# Altium PCB SmartHub Carrier.PcbDoc (part 3 of 5)
Units mm, origin at the board's own origin, x right, y up, seen from the top; angles counter-clockwise.
Board outline 120 x 130 mm, 8 copper layers (Top Layer, Layer 2, Layer 3, Layer 4, Layer 5, Layer 6, Layer 7, Bottom Layer), stack 1.479 mm thick; 460 components, 376 nets, 1826 pads, 565 vias.
Unrouted connection lines stored in the file: 350.
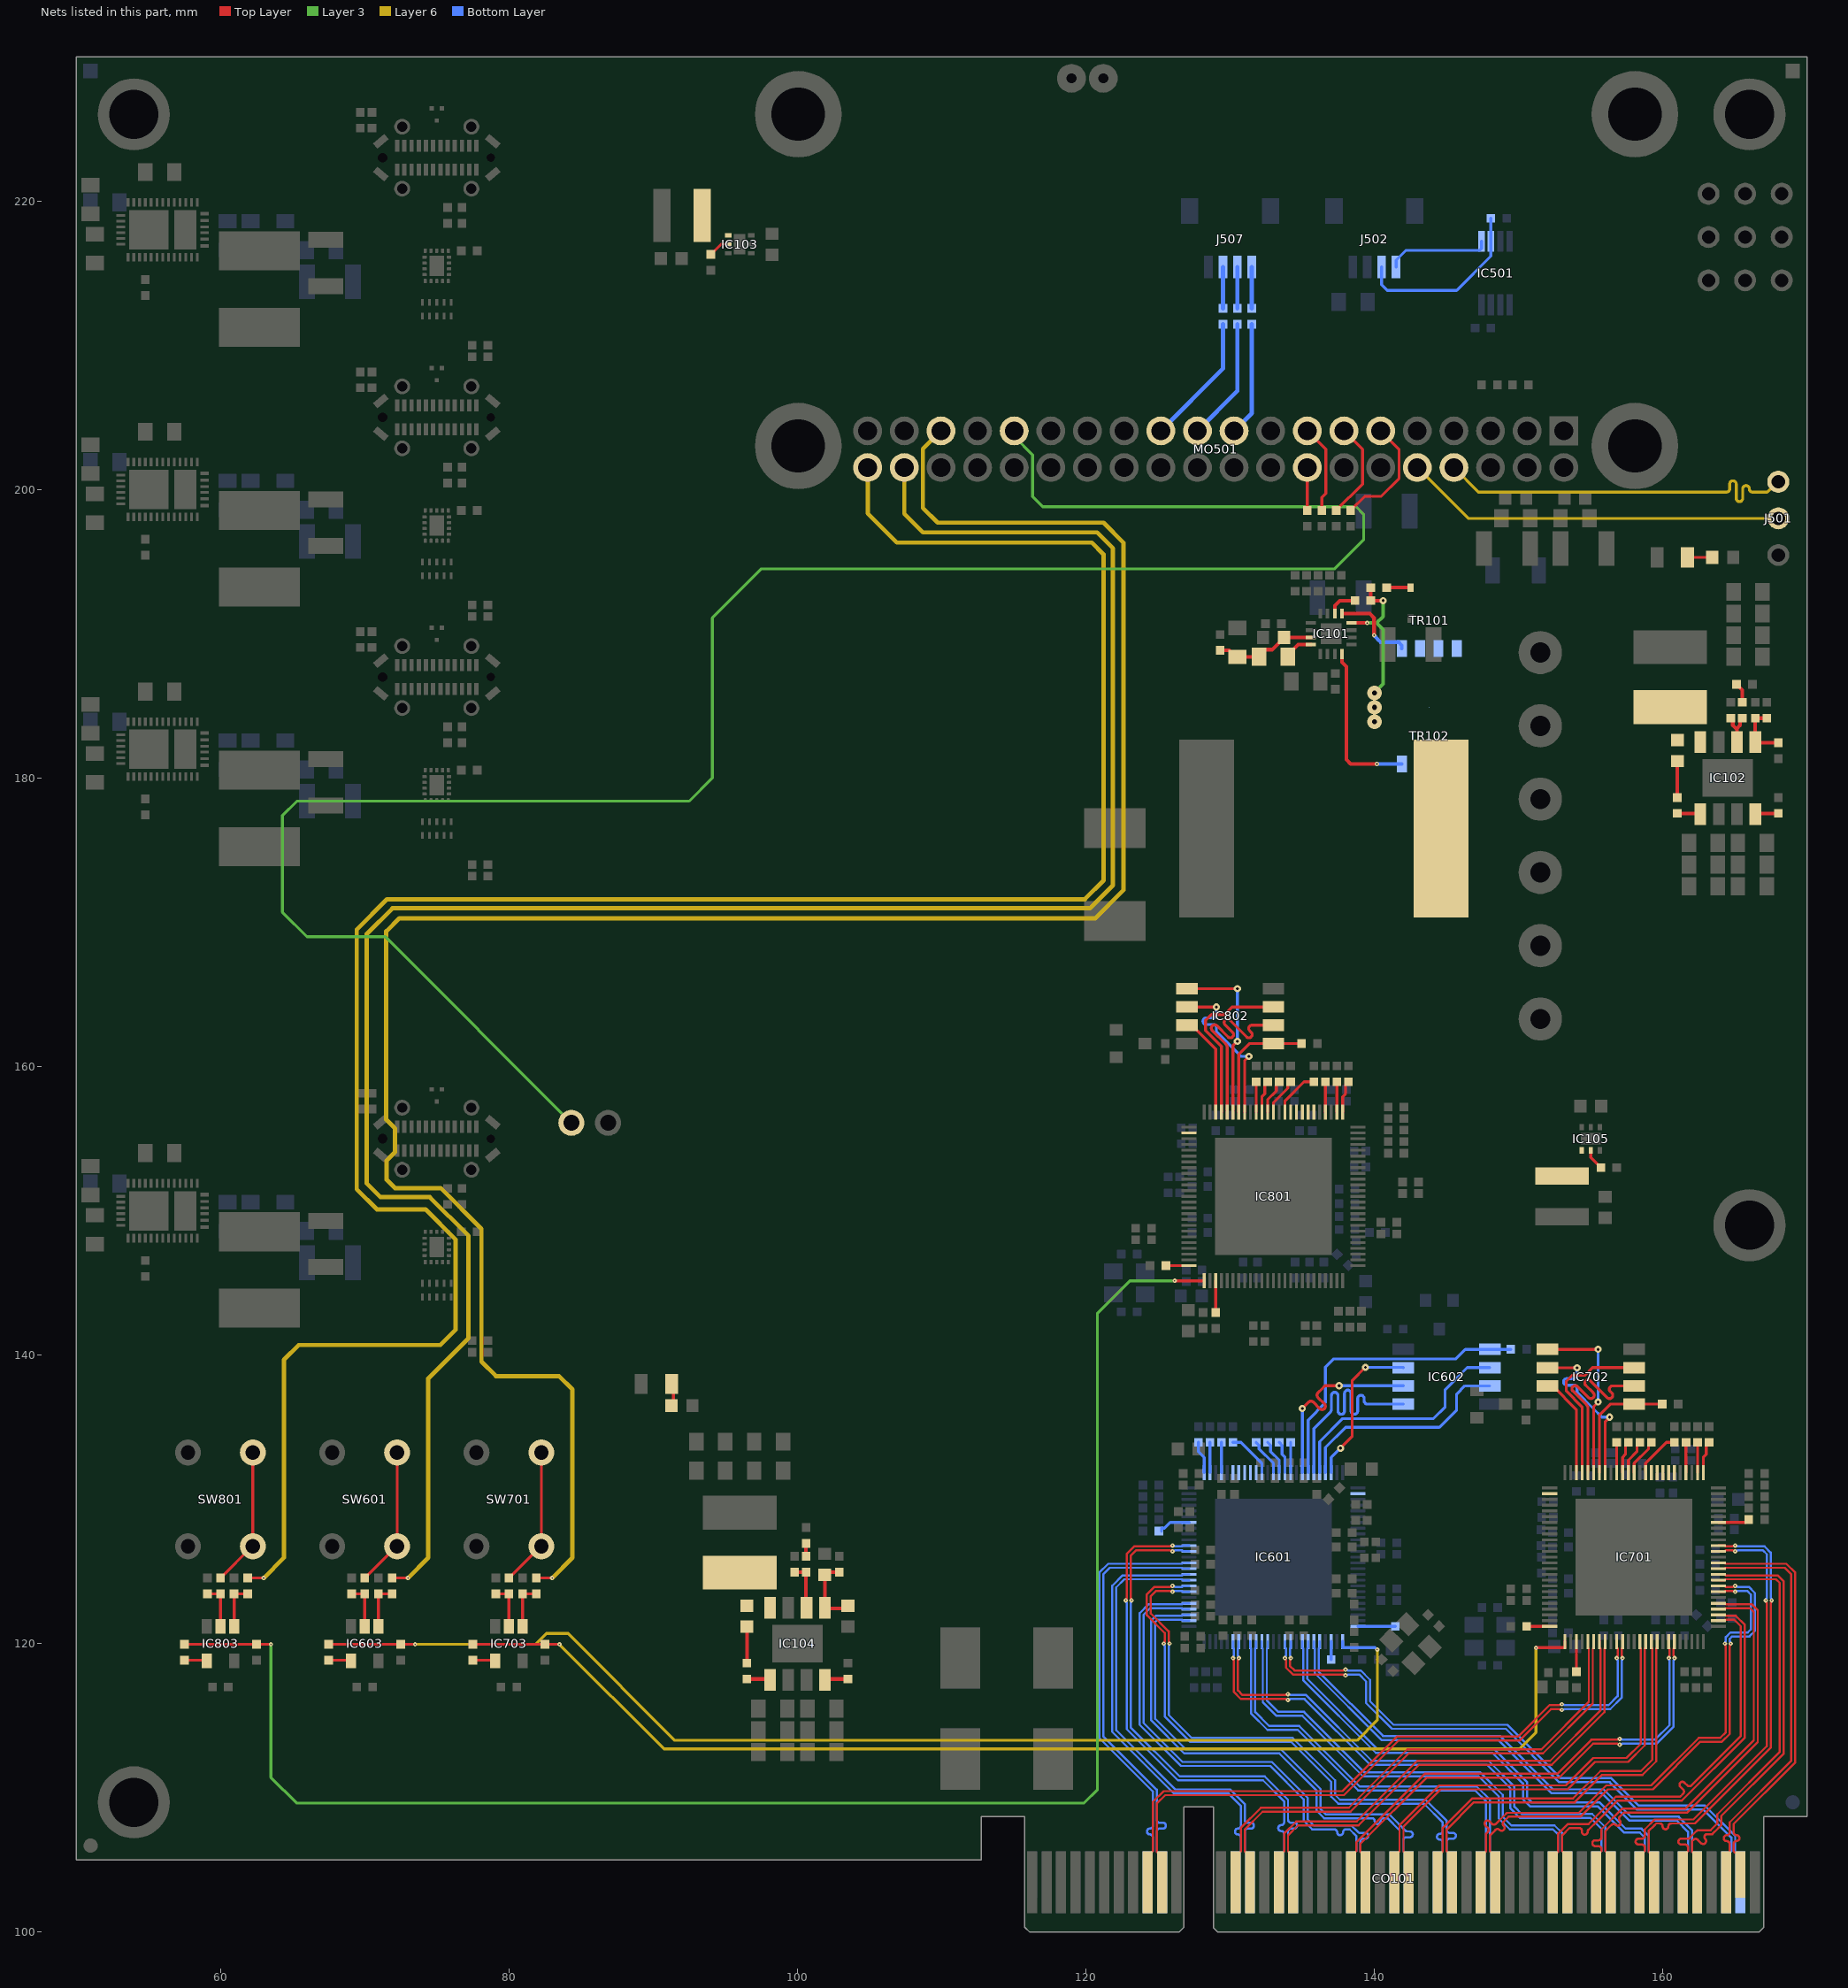
[diagram p9: the nets of this part, all layers, seen from the top]

## Via types
v1: diameter 0.3, hole 0.1, Top Layer to Bottom Layer, 235 vias
v2: diameter 0.5, hole 0.2, Top Layer to Bottom Layer, 115 vias
v3: diameter 0.6, hole 0.33, Top Layer to Bottom Layer, 108 vias
v4: diameter 1, hole 0.3, Top Layer to Bottom Layer, 40 vias
v5: diameter 0.45, hole 0.2, Top Layer to Bottom Layer, 40 vias
v6: diameter 1, hole 0.35, Top Layer to Bottom Layer, 27 vias

## Nets (pads, with @x,y where several pads share a name; then routed paths per layer and width w, separated by ;. In a path a pad name is that pad's centre, name@x,y a point inside that pad or via, vN(x,y) a via of type N, cw(c..) or ccw(c..) an arc to the next point about the centre after c; other vN are vias at no path point) (continued)
I2S_SDI_G1: IC601.44 R617.2 | length 2.3
  Bottom Layer w0.2: R617.2@125.237,127.787 125.237,127.987 125.25,128 125.45,128 125.85,128.4 IC601.44@127.15,128.4
I2S_SDI_G2: IC701.44 R718.2 | length 2.2
  Top Layer w0.2: IC701.44@163.85,128.4 165.75,128.4 R718.2@165.95,128.6
LED_BLUE: MO501.23 R510.1 | length 9.2
  Bottom Layer w0.3: MO501.23@125.19,204.064 129.5,208.374 R510.1@129.5,211.45
LED_GREEN: MO501.21 R509.1 | length 8.5
  Bottom Layer w0.3: MO501.21@127.73,204.064 130.5,206.834 R509.1@130.5,211.45
LED_RED: MO501.19 R508.1 | length 7.9
  Bottom Layer w0.3: MO501.19@130.27,204.064 131.5,205.294 R508.1@131.5,211.45
MIC_DET_F: IC801.66 R825.2 | length 2.1
  Top Layer w0.2: IC801.66@131.8,156.85 R825.2@131.8,158.95
MIC_DET_G1: IC601.66 R626.2 | length 2.1
  Bottom Layer w0.2: IC601.66@134.2,131.85 R626.2@134.2,133.95
MIC_DET_G2: IC701.66 R727.2 | length 2.1
  Top Layer w0.2: IC701.66@156.8,131.85 R727.2@156.8,133.95
MSTR_I2C_CLK_F: IC801.61 R824.2 | length 3.3
  Top Layer w0.2: IC801.61@133.8,156.85 133.8,157.636 135.114,158.95 R824.2@135.8,158.95
MSTR_I2C_CLK_G1: IC601.61 R625.2 | length 3.3
  Bottom Layer w0.2: R625.2@130.2,133.95 130.75,133.95 132.2,132.5 IC601.61@132.2,131.85
MSTR_I2C_CLK_G2: IC701.61 R726.2 | length 3.3
  Top Layer w0.2: IC701.61@158.8,131.85 158.8,132.5 160.25,133.95 R726.2@160.8,133.95
MSTR_I2C_DATA_F: IC801.3 R826.2 | length 2.2
  Top Layer w0.2: R826.2@129,142.95 IC801.3@129,145.15
MSTR_I2C_DATA_G1: IC601.3 R627.2 | length 1.2
  Bottom Layer w0.2: R627.2@137,118.9 IC601.3@137,120.15
MSTR_I2C_DATA_G2: IC701.3 R728.2 | length 2.1
  Top Layer w0.2: R728.2@154,118.05 154,119.725 IC701.3@154,120.15
NetC104_1: C104.1 IC101.14 | length 2.1
  Top Layer w0.25: IC101.14@137.25,191.4 137.25,191.95 137.6,192.3 C104.1@138.65,192.3
NetC107_1: C107.1 IC101.4 | length 2
  Top Layer w0.25: C107.1@134,188.4 134,188.525 134.725,189.25 IC101.4@135.6,189.25
NetC107_2: C107.2 C145.2 IC101.3 R104.1 R105.2 | length 7.1
  Top Layer w0.25: R105.2@129.3,188.85 129.925,188.85 130.375,188.4 C145.2@130.5,188.4 C107.2@132,188.4 132,188.525 132.375,188.9 132.9,188.9 133.725,189.725 R104.1@133.725,189.75 135.375,189.75 IC101.3@135.6,189.75
NetC110_1: C110.1 R110.1 | length 2.5
  Top Layer w0.25: C110.1@161,178.65 R110.1@161,181.175
NetC110_2: C110.2 IC102.1 | length 1.6
  Top Layer w0.25: C110.2@161,177.55 162.545,177.55 IC102.1@162.595,177.5
NetC115_2: C115.2 IC102.5 R112.1 R114.2 | length 4.1
  Top Layer w0.25: R112.1@167.2,184.15 C115.2@166.4,184.15 166.4,182.505 IC102.5@166.405,182.5 166.455,182.45 R114.2@168,182.45
NetC122_1: C122.1 IC102.4 | length 1.6
  Top Layer w0.25: IC102.4@166.405,177.5 166.455,177.55 C122.1@168,177.55
NetC123_1: C123.1 IC102.6 R113.2 | length 2.8
  Top Layer w0.25: C123.1@164.7,184.15 164.84,184.01 164.84,183.66 165.135,183.365 ; IC102.6@165.135,182.5 165.135,183.365 ; R113.2@165.5,184.15 165.36,184.01 165.36,183.66 165.135,183.435 165.135,183.365
NetC124_1: C124.1 R113.1 | length 1.4
  Top Layer w0.25: C124.1@165.1,186.5 165.5,186.1 R113.1@165.5,185.25
NetC127_1: C127.1 R116.1 | length 2.5
  Top Layer w0.25: C127.1@96.5,118.65 R116.1@96.5,121.175
NetC127_2: C127.2 IC104.1 | length 1.6
  Top Layer w0.25: C127.2@96.5,117.55 98.045,117.55 IC104.1@98.095,117.5
NetC132_2: C132.2 IC104.5 R118.1 R121.2 | length 5
  Top Layer w0.25: IC104.5@101.905,122.5 101.9,122.505 R118.1@101.9,124.775 102.075,124.95 C132.2@102.9,124.95 ; IC104.5@101.955,122.45 103.325,122.45 R121.2@103.5,122.625
NetC140_1: C140.1 IC104.4 | length 1.5
  Top Layer w0.25: IC104.4@101.955,117.55 C140.1@103.5,117.55
NetC142_1: C142.1 IC104.6 R119.2 | length 3.3
  Top Layer w0.25: C142.1@99.8,124.95 R119.2@100.6,124.95 100.6,122.535 IC104.6@100.635,122.5
NetC143_1: C143.1 R119.1 | length 0.9
  Top Layer w0.25: R119.1@100.6,126.05 C143.1@100.6,126.95
NetC144_1: C144.1 D111.2 | length 1.7
  Top Layer w0.25: C144.1@140.85,193.2 D111.2@142.5,193.2
NetD101_A: D101.A R111.2 | length 1.7
  Top Layer w0.2: D101.A@161.7,195.3 R111.2@163.425,195.3
NetD102_A: D102.A R117.2 | length 1.9
  Top Layer w0.2: D102.A@91.275,138 91.4,137.875 R117.2@91.4,136.375
  Top Layer w0.5: R117.2@91.275,136.5 R117.2@91.4,136.375
NetIC101_8: IC101.8 TR102.4 | length 11.4
  Top Layer w0.25: IC101.8@137.75,188.6 137.75,188.025 138.05,187.725 138.05,181.275 138.35,180.975 v1(140.175,180.975)
  Bottom Layer w0.25: v1(140.175,180.975) TR102.4@141.895,180.975
NetIC101_13: IC101.13 TR101.4 | length 6
  Top Layer w0.25: IC101.13@137.75,191.4 139.675,191.4 139.975,191.1 v1(139.975,189.9)
  Bottom Layer w0.25: v1(139.975,189.9) 139.975,189.886 140.242,189.619 140.242,189.602 140.419,189.425 141.67,189.425 141.895,189.2 TR101.4@141.895,188.975
NetIC103_2: IC103.2 R115.2 | length 1.5
  Top Layer w0.2: R115.2@94,216.3 94.7,217 IC103.2@95.2,217
NetIC105_2: IC105.2 R120.2 | length 1.5
  Top Layer w0.2: IC105.2@155,154.2 155,153.7 R120.2@155.7,153
NetIC501_5: IC501.5 J502.1 | length 7.2
  Bottom Layer w0.2: J502.1@141.5,215.425 141.5,215.9 142.175,216.575 147.3,216.575 147.425,216.7 IC501.5@147.425,217.2
NetIC501_6: IC501.6 J502.2 R507.1 | length 12.6
  Bottom Layer w0.2: J502.2@140.5,215.425 140.5,214.2 140.9,213.8 145.7,213.8 148.075,216.175 IC501.6@148.075,217.2 R507.1@148.075,218.8
NetIC601_1: IC601.1 R609.2 R614.2 | length 84.4
  Top Layer w0.2: R609.2@67.5,119.95 R614.2@72.5,119.95 v1(73.5,119.95)
  Layer 6 w0.2: v1(73.5,119.95) 81.85,119.95 82.6,120.7 84.1,120.7 91.5,113.3 138.8,113.3 140.2,114.7 v1(140.2,119.6)
  Bottom Layer w0.2: IC601.1@137.8,120.15 137.8,119.725 140.048,119.725 140.173,119.6 v1(140.2,119.6)
NetIC601_63: IC601.63 R605.2 | length 2.6
  Bottom Layer w0.2: R605.2@131.8,133.95 132,133.75 132,133.5 133,132.5 IC601.63@133,131.85
NetIC601_64: IC601.64 R606.2 | length 2.4
  Bottom Layer w0.2: R606.2@132.6,133.95 132.8,133.75 132.8,133.313 133.4,132.713 IC601.64@133.4,131.85
NetIC601_65: IC601.65 R607.2 | length 2.3
  Bottom Layer w0.2: R607.2@133.4,133.95 133.6,133.75 133.6,133.113 133.8,132.913 IC601.65@133.8,131.85
NetIC601_100: IC601.100 R611.2 | length 2.6
  Bottom Layer w0.2: IC601.100@138.85,121.2 R611.2@141.45,121.2
NetIC603_1: IC603.1 R610.1 R612.2 | length 3.2
  Top Layer w0.2: IC603.1@70.95,121.2 R612.2@70.95,123.45 R610.1@71.9,123.45
NetIC603_2: IC603.2 R608.1 R613.2 | length 3.2
  Top Layer w0.2: R613.2@69.1,123.45 R608.1@70,123.45 IC603.2@70,121.2
NetIC603_4: IC603.4 R609.1 | length 1.6
  Top Layer w0.2: R609.1@67.5,118.85 69,118.85 IC603.4@69.05,118.8
NetIC701_1: IC701.1 R710.2 R715.2 | length 85.5
  Top Layer w0.2: R710.2@77.5,119.95 R715.2@82.5,119.95 v1(83.5,119.95) ; v1(151.2,119.7) 151.227,119.7 151.252,119.725 153.2,119.725 IC701.1@153.2,120.15
  Layer 6 w0.2: v1(83.5,119.95) 90.75,112.7 150.05,112.7 151.2,113.85 v1(151.2,119.7)
NetIC701_63: IC701.63 R706.2 | length 2.6
  Top Layer w0.2: IC701.63@158,131.85 158,132.5 159,133.5 159,133.75 R706.2@159.2,133.95
NetIC701_64: IC701.64 R707.2 | length 2.4
  Top Layer w0.2: IC701.64@157.6,131.85 157.6,132.713 158.2,133.313 158.2,133.75 R707.2@158.4,133.95
NetIC701_65: IC701.65 R708.2 | length 2.3
  Top Layer w0.2: IC701.65@157.2,131.85 157.2,132.913 157.4,133.113 157.4,133.75 R708.2@157.6,133.95
NetIC701_100: IC701.100 R712.2 | length 1.6
  Top Layer w0.2: R712.2@150.55,121.2 IC701.100@152.15,121.2
NetIC703_1: IC703.1 R711.1 R713.2 | length 3.2
  Top Layer w0.2: IC703.1@80.95,121.2 R713.2@80.95,123.45 R711.1@81.9,123.45
NetIC703_2: IC703.2 R709.1 R714.2 | length 3.2
  Top Layer w0.2: R714.2@79.1,123.45 R709.1@80,123.45 IC703.2@80,121.2
NetIC703_4: IC703.4 R710.1 | length 1.6
  Top Layer w0.2: R710.1@77.5,118.85 79,118.85 IC703.4@79.05,118.8
NetIC801_1: IC801.1 R808.2 R813.2 | length 115
  Top Layer w0.2: R808.2@57.5,119.95 R813.2@62.5,119.95 v1(63.5,119.95) ; v1(126.15,145.15) IC801.1@128.2,145.15
  Layer 3 w0.2: v1(63.5,119.95) 63.5,110.725 65.275,108.95 119.875,108.95 120.8,109.875 120.8,142.9 123.05,145.15 v1(126.15,145.15)
NetIC801_63: IC801.63 R804.2 | length 2.6
  Top Layer w0.2: IC801.63@133,156.85 133,157.5 134,158.5 134,158.75 R804.2@134.2,158.95
NetIC801_64: IC801.64 R805.2 | length 2.4
  Top Layer w0.2: IC801.64@132.6,156.85 132.6,157.713 133.2,158.313 133.2,158.75 R805.2@133.4,158.95
NetIC801_65: IC801.65 R806.2 | length 2.3
  Top Layer w0.2: IC801.65@132.2,156.85 132.2,157.913 132.4,158.113 132.4,158.75 R806.2@132.6,158.95
NetIC801_100: IC801.100 R810.2 | length 1.6
  Top Layer w0.2: R810.2@125.55,146.2 IC801.100@127.15,146.2
NetIC803_1: IC803.1 R809.1 R811.2 | length 3.2
  Top Layer w0.2: IC803.1@60.95,121.2 R811.2@60.95,123.45 R809.1@61.9,123.45
NetIC803_2: IC803.2 R807.1 R812.2 | length 3.2
  Top Layer w0.2: R812.2@59.1,123.45 R807.1@60,123.45 IC803.2@60,121.2
NetIC803_4: IC803.4 R808.1 | length 1.6
  Top Layer w0.2: R808.1@57.5,118.85 59,118.85 IC803.4@59.05,118.8
NetJ507_1: J507.1 R508.2 | length 2.9
  Bottom Layer w0.3: R508.2@131.5,212.55 J507.1@131.5,215.425
NetJ507_2: J507.2 R509.2 | length 2.9
  Bottom Layer w0.3: R509.2@130.5,212.55 J507.2@130.5,215.425
NetJ507_3: J507.3 R510.2 | length 2.9
  Bottom Layer w0.3: R510.2@129.5,212.55 J507.3@129.5,215.425
NetMO501_11: MO501.11 R503.1 | length 8.1
  Top Layer w0.2: R503.1@138.35,198.55 139.325,199.525 140.475,199.525 141.7,200.75 141.7,202.794 MO501.11@140.43,204.064
NetMO501_13: MO501.13 R504.1 | length 6.8
  Top Layer w0.2: R504.1@137.35,198.55 139.175,200.375 139.175,202.779 MO501.13@137.89,204.064
NetMO501_15: MO501.15 R505.1 | length 6.2
  Top Layer w0.2: MO501.15@135.35,204.064 136.625,202.789 136.625,199.725 136.35,199.45 R505.1@136.35,198.55
NetMO501_16: MO501.16 R506.1 | length 3
  Top Layer w0.2: R506.1@135.35,198.55 MO501.16@135.35,201.524
NetR608_2: R608.2 SW601.3 SW601.4 | length 9.7
  Top Layer w0.2: R608.2@70,124.55 72.2,126.75 SW601.3@72.25,126.75 SW601.4@72.25,133.25
NetR709_2: R709.2 SW701.3 SW701.4 | length 9.7
  Top Layer w0.2: R709.2@80,124.55 82.2,126.75 SW701.3@82.25,126.75 SW701.4@82.25,133.25
NetR807_2: R807.2 SW801.3 SW801.4 | length 9.7
  Top Layer w0.2: R807.2@60,124.55 62.2,126.75 SW801.3@62.25,126.75 SW801.4@62.25,133.25
POWER_0: J506.2 MO501.31 | length 152.5
  Layer 3 w0.2: J506.2@84.33,156.1 71.43,169 66,169 64.3,170.7 64.3,177.4 65.3,178.4 92.5,178.4 94.1,180 94.1,191.1 97.5,194.5 137.25,194.5 139.25,196.5 139.25,198.284 138.734,198.8 117,198.8 116.3,199.5 116.3,202.4 115.03,203.67 MO501.31@115.03,204.064
PRE_1V1: IC105.1 L104.1
PRE_1V8: IC103.1 L102.1
PRE_3V3: IC104.8 L103.1 R116.2
PRE_5VR: IC102.8 L101.1 R110.2
PRE_VPWR: C104.2 C144.2 IC101.12 L105.1 TR101.1 TR101.2 TR101.3 TR102.5 | length 10.5
  Top Layer w0.25: IC101.12@138.4,190.75 v1(139.5,190.75) ; C144.2@139.75,193.2 C104.2@139.75,192.3 v2(140.6,192.3)
  Layer 3 w0.25: v1(139.5,190.75) 140.15,190.75 ; v6(140,185.9) 140,185.937 140.6,186.537 140.6,190.3 140.15,190.75 ; v2(140.6,192.3) 140.6,191.2 140.15,190.75
  other v6: 140,183.9 140,184.9
PRT_CTL1_F: IC801.60
PRT_CTL1_G1: IC601.60
PRT_CTL1_G2: IC701.60
PRT_CTL2_F: IC801.59
PRT_CTL2_G1: IC601.59
PRT_CTL2_G2: IC701.59
PRT_CTL3_F: IC801.58
PRT_CTL3_G1: IC601.58
PRT_CTL3_G2: IC701.58
PRT_CTL3_U3_F: IC801.51 R821.2 | length 2.3
  Top Layer w0.2: IC801.51@137.8,156.85 137.8,157.913 138,158.113 138,158.75 R821.2@138.2,158.95
PRT_CTL3_U3_G1: IC601.51 R622.2 | length 2.3
  Bottom Layer w0.2: R622.2@127.8,133.95 127.8,133.3 128.2,132.9 IC601.51@128.2,131.85
PRT_CTL3_U3_G2: IC701.51 R723.2 | length 2.3
  Top Layer w0.2: IC701.51@162.8,131.85 162.8,132.913 163,133.113 163,133.75 R723.2@163.2,133.95
PRT_CTL4_F: IC801.57
PRT_CTL4_G1: IC601.57
PRT_CTL4_G2: IC701.57
PRT_CTL4_U3_F: IC801.52 R822.2 | length 2.1
  Top Layer w0.2: IC801.52@137.4,156.85 R822.2@137.4,158.95
PRT_CTL4_U3_G1: IC601.52 R623.2 | length 2.1
  Bottom Layer w0.2: IC601.52@128.6,131.85 128.6,133.55 R623.2@128.6,133.95
PRT_CTL4_U3_G2: IC701.52 R724.2 | length 2.1
  Top Layer w0.2: IC701.52@162.4,131.85 R724.2@162.4,133.95
PRT_CTL5_F: IC801.56
PRT_CTL5_G1: IC601.56
PRT_CTL5_G2: IC701.56
PRT_CTL5_U3_F: IC801.54 R823.2 | length 2.1
  Top Layer w0.2: IC801.54@136.6,156.85 R823.2@136.6,158.95
PRT_CTL5_U3_G1: IC601.54 R624.2 | length 2.1
  Bottom Layer w0.2: IC601.54@129.4,131.85 R624.2@129.4,133.95
PRT_CTL5_U3_G2: IC701.54 R725.2 | length 2.1
  Top Layer w0.2: IC701.54@161.6,131.85 R725.2@161.6,133.95
PRT_CTL6_F: IC801.77
PRT_CTL6_G1: IC601.77
PRT_CTL6_G2: IC701.77
RESET_USB_F: MO501.40 R809.2 | length 158.6
  Top Layer w0.2: R809.2@61.9,124.55 v1(63,124.55)
  Layer 6 w0.3: v1(63,124.55) 64.4,125.95 64.4,139.675 65.425,140.7 75.25,140.7 76.3,141.75 76.3,148.025 74.225,150.1 70.85,150.1 69.45,151.5 69.45,169.5 71.55,171.6 119.925,171.6 121.225,172.9 121.225,195.5 120.4,196.325 106.9,196.325 104.87,198.355 MO501.40@104.87,201.524
RESET_USB_G1: MO501.38 R610.2 | length 147.5
  Top Layer w0.2: R610.2@71.9,124.55 v1(73,124.55)
  Layer 6 w0.3: v1(73,124.55) 74.4,125.95 74.4,138.375 77.2,141.175 77.2,148.264 74.514,150.95 71.1,150.95 70.15,151.9 70.15,169.2 71.925,170.975 120.275,170.975 121.875,172.575 121.875,195.925 120.775,197.025 108.7,197.025 107.41,198.315 MO501.38@107.41,201.524
RESET_USB_G2: MO501.35 R711.2 | length 153.9
  Top Layer w0.2: R711.2@81.9,124.55 v1(83,124.55)
  Layer 6 w0.3: v1(83,124.55) 84.4,125.95 84.4,137.625 83.475,138.55 79.1,138.55 78.1,139.55 78.1,148.75 75.275,151.575 72.1,151.575 71.525,152.15 71.525,153.5 72.1,154.075 72.1,155.725 71.5,156.325 71.5,169.375 72.4,170.275 120.65,170.275 122.6,172.225 122.6,196.325 121.225,197.7 109.725,197.7 108.7,198.725 108.7,202.814 MO501.35@109.95,204.064
RXD_0: J501.2 MO501.10 | length 26.5
  Layer 6 w0.2: MO501.10@142.97,201.524 146.494,198 J501.2@168,198
SPI_CEN_F: IC801.69 IC802.1 R701.1 | length 8.7
  Top Layer w0.2: IC801.69@130.6,156.85 130.6,160.85 131.35,161.6 IC802.1@133,161.6 R701.1@134.95,161.6
SPI_CEN_G1: IC601.69 IC602.1 R601.1 | length 21.2
  Bottom Layer w0.2: IC601.69@135.4,131.85 135.4,135.5 136.6,136.7 136.6,139.175 137.155,139.73 145.63,139.73 146.3,140.4 IC602.1@148,140.4 R601.1@149.45,140.4
SPI_CEN_G2: IC701.69 IC702.1 R702.1 | length 8.7
  Top Layer w0.2: IC701.69@155.6,131.85 155.6,135.85 156.35,136.6 IC702.1@158,136.6 R702.1@159.95,136.6
SPI_CLK_F: IC801.68 IC802.6 | length 12.2
  Top Layer w0.2: IC802.6@127,164.13 127.005,164.125 v2(129.05,164.125) ; IC801.68@131,156.85 131,160.4 v2(131.3,160.7)
  Bottom Layer w0.2: v2(129.05,164.125) 129.05,164.091 129.05,163.598 cw(c128.823,163.598) 128.823,163.371 128.339,163.371 ccw(c128.339,163.144) 128.339,162.917 128.823,162.917 cw(c128.823,162.69) 129.05,162.69 129.05,162.59 129.05,162.417 130.167,161.3 130.767,160.7 v2(131.3,160.7)
SPI_CLK_G1: IC601.68 IC602.6 | length 13.9
  Top Layer w0.2: v2(135,136.3) 135.052,136.352 135.443,136.743 cw(c135.604,136.583) 135.764,136.743 136.213,136.295 ccw(c136.374,136.455) 136.534,136.295 ccw(c136.374,136.455) 136.534,136.616 136.085,137.064 cw(c136.246,137.225) 136.085,137.385 136.371,137.671 136.575,137.875 v2(137.55,137.875)
  Bottom Layer w0.2: IC601.68@135,131.85 135,134.218 v2(135,136.3) ; v2(137.55,137.875) 141.995,137.875 IC602.6@142,137.87
SPI_CLK_G2: IC701.68 IC702.6 | length 12.2
  Top Layer w0.2: IC702.6@152,139.13 152.005,139.125 v2(154.05,139.125) ; IC701.68@156,131.85 156,135.4 v2(156.3,135.7)
  Bottom Layer w0.2: v2(154.05,139.125) 154.05,139.091 154.05,138.598 cw(c153.823,138.598) 153.823,138.371 153.339,138.371 ccw(c153.339,138.144) 153.339,137.917 153.823,137.917 cw(c153.823,137.69) 154.05,137.69 154.05,137.59 154.05,137.417 155.167,136.3 155.767,135.7 v2(156.3,135.7)
SPI_HLD_F: IC801.73 IC802.7 | length 7.1
  Top Layer w0.2: IC802.7@127,162.87 127.35,162.87 129,161.22 IC801.73@129,156.85
SPI_HLD_G1: IC601.73 IC602.7 | length 10.9
  Top Layer w0.2: v2(137.65,133.55) 138.45,134.35 138.45,138.225 v2(139.375,139.15)
  Bottom Layer w0.2: IC601.73@137,131.85 137,132.9 v2(137.65,133.55) ; v2(139.375,139.15) 141.98,139.15 IC602.7@142,139.13
SPI_HLD_G2: IC701.73 IC702.7 | length 7.1
  Top Layer w0.2: IC702.7@152,137.87 152.35,137.87 154,136.22 IC701.73@154,131.85
SPI_MISO_F: IC801.71 IC802.2 | length 14.6
  Top Layer w0.2: IC801.71@129.8,156.85 129.8,161.163 129.8,161.304 129.8,161.306 ccw(c129.412,161.304) 129.687,161.578 128.761,162.504 cw(c128.921,162.665) 128.761,162.825 cw(c128.921,162.665) 129.082,162.825 129.85,162.057 ccw(c130.01,162.218) 130.171,162.057 ccw(c130.01,162.218) 130.171,162.378 129.647,162.902 cw(c129.808,163.062) 129.647,163.223 cw(c129.808,163.062) 129.968,163.223 131.135,162.056 ccw(c131.296,162.216) 131.456,162.056 ccw(c131.296,162.216) 131.456,162.377 131.351,162.482 cw(c131.511,162.643) 131.511,162.87 132.018,162.87 IC802.2@133,162.87
SPI_MISO_G1: IC601.71 IC602.2 | length 16.8
  Bottom Layer w0.2: IC601.71@136.2,131.85 136.2,134 137.8,135.6 144.1,135.6 144.9,136.4 144.9,137.6 146.43,139.13 IC602.2@148,139.13
SPI_MISO_G2: IC701.71 IC702.2 | length 14.6
  Top Layer w0.2: IC701.71@154.8,131.85 154.8,136.163 154.8,136.304 154.8,136.306 ccw(c154.412,136.304) 154.687,136.578 153.761,137.504 cw(c153.921,137.665) 153.761,137.825 cw(c153.921,137.665) 154.082,137.825 154.85,137.057 ccw(c155.01,137.218) 155.171,137.057 ccw(c155.01,137.218) 155.171,137.378 154.647,137.902 cw(c154.808,138.062) 154.647,138.223 cw(c154.808,138.062) 154.968,138.223 156.135,137.056 ccw(c156.296,137.216) 156.456,137.056 ccw(c156.296,137.216) 156.456,137.377 156.351,137.482 cw(c156.511,137.643) 156.511,137.87 157.018,137.87 IC702.2@158,137.87
SPI_MOSI_F: IC801.70 IC802.5 | length 12.2
  Top Layer w0.2: IC802.5@127,165.4 v2(130.5,165.4) ; IC801.70@130.2,156.85 130.2,161.45 v2(130.5,161.75)
  Bottom Layer w0.2: v2(130.5,161.75) v2(130.5,165.4)
SPI_MOSI_G1: IC601.70 IC602.5 | length 16.8
  Bottom Layer w0.2: IC601.70@135.8,131.85 135.8,134.9 136.807,135.907 136.907,136.007 ccw(c136.633,136.281) 137.02,136.281 137.02,137.198 cw(c137.247,137.198) 137.474,137.198 137.474,136.127 ccw(c137.701,136.127) 137.928,136.127 137.928,137.348 cw(c138.155,137.348) 138.382,137.348 138.382,136.127 ccw(c138.609,136.127) 138.836,136.127 138.836,136.989 cw(c139.063,136.989) 139.29,136.989 139.29,136.827 ccw(c139.517,136.827) 139.517,136.6 IC602.5@142,136.6
SPI_MOSI_G2: IC701.70 IC702.5 | length 12.2
  Top Layer w0.2: IC702.5@152,140.4 v2(155.5,140.4) ; IC701.70@155.2,131.85 155.2,136.45 v2(155.5,136.75)
  Bottom Layer w0.2: v2(155.5,136.75) v2(155.5,140.4)
SPI_WP_F: IC801.72 IC802.3 | length 11.9
  Top Layer w0.2: IC801.72@129.4,156.85 129.4,161.4 128.3,162.5 128.3,163.2 128.7,163.6 129.6,163.6 130.13,164.13 IC802.3@133,164.13
SPI_WP_G1: IC601.72 IC602.3 | length 15.6
  Bottom Layer w0.2: IC601.72@136.6,131.85 136.6,133.6 138,135 144.5,135 145.7,136.2 145.7,137.3 146.27,137.87 IC602.3@148,137.87
SPI_WP_G2: IC701.72 IC702.3 | length 11.9
  Top Layer w0.2: IC701.72@154.4,131.85 154.4,136.4 153.3,137.5 153.3,138.2 153.7,138.6 154.6,138.6 155.13,139.13 IC702.3@158,139.13
TXD_0: J501.1 MO501.8 | length 26.5
  Layer 6 w0.2: MO501.8@145.51,201.524 147.216,199.818 164.299,199.818 164.399,199.818 ccw(c164.399,200.045) 164.626,200.045 164.626,200.376 cw(c164.853,200.376) 165.08,200.376 165.08,199.389 ccw(c165.307,199.389) 165.534,199.389 165.534,200.045 cw(c165.761,200.045) 165.988,200.045 ccw(c166.215,200.045) 166.215,199.818 166.8,199.818 167.22,199.818 167.942,200.54 J501.1@168,200.54
USB0_N: CO101.A13 IC601.35 | length 32.7
  Bottom Layer w0.15: IC601.35@127.15,124.8 126.725,124.8 126.663,124.738 122.549,124.738 121.825,124.014 121.825,113.886 126.086,109.625 129.875,109.625 130.737,108.763 130.737,108.3 130.737,107.383 cw(c130.535,107.383) 130.535,107.181 ccw(c130.535,106.979) 130.333,106.979 ccw(c130.535,106.979) 130.535,106.777 cw(c130.535,106.575) 130.737,106.575 130.737,106.5 130.737,105.612 130.375,105.25 CO101.A13@130.375,103.45
USB0_P: CO101.A14 IC601.34 | length 32.7
  Bottom Layer w0.15: IC601.34@127.15,124.4 126.725,124.4 126.663,124.462 122.662,124.462 122.1,123.9 122.1,114 126.2,109.9 129.989,109.9 131.012,108.876 131.012,108.4 131.012,107.787 ccw(c131.214,107.787) 131.214,107.585 131.442,107.585 cw(c131.442,107.383) 131.644,107.383 cw(c131.442,107.383) 131.442,107.181 131.214,107.181 ccw(c131.214,106.979) 131.012,106.979 131.012,106.5 131.012,105.613 131.375,105.25 CO101.A14@131.375,103.45
USB0_RX_N: CO101.A16 IC601.40 | length 36
  Top Layer w0.15: v1(122.763,123) 122.791,123.029 122.791,123.129 122.825,123.163 122.825,126.214 123.349,126.738 125.837,126.738 125.871,126.771 125.971,126.771 v1(126,126.8)
  Bottom Layer w0.15: v1(122.763,123) 122.791,122.971 122.791,122.871 122.825,122.837 122.825,114.086 126.386,110.525 132.275,110.525 133.737,109.063 133.737,108.1 133.737,107.621 cw(c133.535,107.621) 133.535,107.419 ccw(c133.535,107.217) 133.333,107.217 ccw(c133.535,107.217) 133.535,107.015 cw(c133.535,106.813) 133.737,106.813 133.737,106.5 133.737,105.612 133.375,105.25 CO101.A16@133.375,103.45 ; v1(126,126.8) 126.029,126.771 126.129,126.771 126.163,126.738 126.663,126.738 126.725,126.8 IC601.40@127.15,126.8
USB0_RX_P: CO101.A17 IC601.39 | length 36
  Top Layer w0.15: v1(123.163,123) 123.134,123.029 123.134,123.129 123.1,123.163 123.1,126.1 123.463,126.463 125.837,126.463 125.871,126.429 125.971,126.429 v1(126,126.4)
  Bottom Layer w0.15: v1(123.163,123) 123.134,122.971 123.134,122.871 123.1,122.837 123.1,114.2 126.5,110.8 132.389,110.8 134.012,109.176 134.012,108.883 134.012,107.792 ccw(c134.214,107.792) 134.214,107.59 134.442,107.59 cw(c134.442,107.388) 134.644,107.388 cw(c134.442,107.388) 134.442,107.186 134.214,107.186 ccw(c134.214,106.984) 134.012,106.984 134.012,106.505 134.012,105.613 134.375,105.25 CO101.A17@134.375,103.45 ; v1(126,126.4) 126.029,126.429 126.129,126.429 126.163,126.463 126.662,126.463 126.725,126.4 IC601.39@127.15,126.4
USB0_TX_N: CO101.A9 IC601.37 | length 30.1
  Bottom Layer w0.15: CO101.A9@124.275,103.45 124.275,105.25 124.637,105.612 124.637,106.5 124.637,106.575 ccw(c124.435,106.575) 124.435,106.777 cw(c124.435,106.979) 124.233,106.979 cw(c124.435,106.979) 124.435,107.181 ccw(c124.435,107.383) 124.637,107.383 124.637,108.6 124.637,109.763 120.925,113.475 120.925,124.914 121.549,125.538 126.663,125.538 126.725,125.6 IC601.37@127.15,125.6
USB0_TX_P: CO101.A10 IC601.36 | length 30.1
  Bottom Layer w0.15: CO101.A10@125.275,103.45 125.275,105.25 124.912,105.613 124.912,106.5 124.912,106.979 cw(c125.114,106.979) 125.114,107.181 125.342,107.181 ccw(c125.342,107.383) 125.544,107.383 ccw(c125.342,107.383) 125.342,107.585 125.114,107.585 cw(c125.114,107.787) 124.912,107.787 124.912,108.4 124.912,109.876 121.2,113.589 121.2,124.8 121.662,125.263 126.663,125.263 126.725,125.2 IC601.36@127.15,125.2
USB1_N: CO101.A24 IC601.28 | length 35.1
  Bottom Layer w0.15: IC601.28@127.15,122 126.725,122 126.663,121.938 124.849,121.938 124.525,121.614 124.525,114.686 126.811,112.4 133.4,112.4 136,109.8 136,108.411 136.511,107.9 139.4,107.9 139.817,107.9 cw(c139.817,107.698) 140.019,107.698 ccw(c140.221,107.698) 140.221,107.496 ccw(c140.221,107.698) 140.423,107.698 cw(c140.625,107.698) 140.625,107.9 140.7,107.9 140.9,107.9 141.737,107.063 141.737,105.612 141.375,105.25 CO101.A24@141.375,103.45
USB1_P: CO101.A25 IC601.27 | length 35.1
  Bottom Layer w0.15: IC601.27@127.15,121.6 126.725,121.6 126.663,121.662 124.962,121.662 124.8,121.5 124.8,114.8 126.925,112.675 133.514,112.675 136.275,109.914 136.275,108.525 136.625,108.175 141.014,108.175 141.689,107.5 142.145,107.044 ccw(c142.288,107.187) 142.288,106.985 142.459,106.985 cw(c142.459,106.783) 142.661,106.783 cw(c142.459,106.783) 142.459,106.581 142.214,106.581 ccw(c142.214,106.379) 142.012,106.379 142.012,105.9 142.012,105.613 142.375,105.25 CO101.A25@142.375,103.45
USB1_RX_N: CO101.A27 IC601.33 | length 39.9
  Top Layer w0.15: v1(125.4,120) 125.429,120.029 125.429,120.129 125.463,120.163 125.463,120.738 124.225,121.975 124.225,123.414 124.749,123.938 125.837,123.938 125.871,123.971 125.971,123.971 v1(126,124)
  Bottom Layer w0.15: v1(125.4,120) 125.429,119.971 125.429,119.871 125.463,119.837 125.463,114.949 127.211,113.2 134.211,113.2 137,110.411 137,109.4 137.5,108.9 143.438,108.9 144.738,107.6 144.738,107.5 144.737,107.425 144.737,107.021 cw(c144.535,107.021) 144.535,106.819 ccw(c144.535,106.617) 144.333,106.617 ccw(c144.535,106.617) 144.535,106.415 cw(c144.535,106.213) 144.737,106.213 144.737,105.875 144.737,105.8 144.737,105.612 144.375,105.25 CO101.A27@144.375,103.45 ; v1(126,124) 126.029,123.971 126.129,123.971 126.163,123.938 126.663,123.938 126.725,124 IC601.33@127.15,124
USB1_RX_P: CO101.A28 IC601.32 | length 39.9
  Top Layer w0.15: v1(125.8,120) 125.771,120.029 125.771,120.129 125.738,120.163 125.738,120.851 124.5,122.089 124.5,123.3 124.862,123.663 125.837,123.663 125.871,123.629 125.971,123.629 v1(126,123.6)
  Bottom Layer w0.15: v1(125.8,120) 125.771,119.971 125.771,119.871 125.738,119.837 125.738,115.062 127.325,113.475 134.325,113.475 137.275,110.525 137.275,109.514 137.614,109.175 143.551,109.175 145.013,107.714 145.013,107.5 145.012,107.425 145.012,107.087 ccw(c145.214,107.087) 145.214,106.885 145.442,106.885 cw(c145.442,106.683) 145.644,106.683 cw(c145.442,106.683) 145.442,106.481 145.214,106.481 ccw(c145.214,106.279) 145.012,106.279 145.012,105.875 145.012,105.8 145.012,105.613 145.375,105.25 CO101.A28@145.375,103.45 ; v1(126,123.6) 126.029,123.629 126.129,123.629 126.163,123.663 126.662,123.663 126.725,123.6 IC601.32@127.15,123.6
USB1_TX_N: CO101.A21 IC601.30 | length 34.4
  Bottom Layer w0.15: IC601.30@127.15,122.8 126.725,122.8 126.663,122.738 124.349,122.738 123.725,122.114 123.725,114.386 126.586,111.525 132.775,111.525 135.1,109.2 135.1,107.711 135.686,107.125 136.901,107.125 137.217,107.125 cw(c137.217,106.923) 137.419,106.923 ccw(c137.621,106.923) 137.621,106.721 ccw(c137.621,106.923) 137.823,106.923 cw(c138.025,106.923) 138.025,107.125 138.1,107.125 138.286,107.125 138.737,106.674 138.737,105.612 138.375,105.25 CO101.A21@138.375,103.45
USB1_TX_P: CO101.A22 IC601.29 | length 34.4
  Bottom Layer w0.15: IC601.29@127.15,122.4 126.725,122.4 126.662,122.463 124.463,122.463 124,122 124,114.5 126.7,111.8 132.889,111.8 135.375,109.314 135.375,107.825 135.8,107.4 138.4,107.4 138.856,106.944 ccw(c138.999,107.087) 138.999,106.885 139.375,106.885 cw(c139.375,106.683) 139.577,106.683 cw(c139.375,106.683) 139.375,106.481 139.214,106.481 ccw(c139.214,106.279) 139.012,106.279 139.012,105.8 139.012,105.613 139.375,105.25 CO101.A22@139.375,103.45
USB2_N: CO101.A44 IC601.6 | length 36.3
  Bottom Layer w0.15: IC601.6@135.8,120.15 135.8,119.725 135.862,119.662 135.862,117.949 140.486,113.325 148.575,113.325 152.275,109.625 155.775,109.625 157.675,107.725 160.975,107.725 161.737,106.963 161.737,105.612 161.375,105.25 CO101.A44@161.375,103.45
USB2_P: CO101.A45 IC601.5 | length 36.3
  Bottom Layer w0.15: IC601.5@136.2,120.15 136.2,119.725 136.138,119.662 136.138,118.063 140.6,113.6 148.689,113.6 152.389,109.9 155.889,109.9 157.789,108 161.089,108 162.012,107.076 162.012,105.613 162.375,105.25 CO101.A45@162.375,103.45
USB2_RX_N: CO101.A48 IC601.10 | length 41.8
  Top Layer w0.15: v1(134.2,119) 134.171,118.971 134.171,118.871 134.137,118.837 134.137,118.463 134.462,118.138 137.837,118.138 137.871,118.171 137.971,118.171 v1(138,118.2)
  Bottom Layer w0.15: v1(134.2,119) 134.171,119.029 134.171,119.129 134.137,119.163 134.137,119.662 134.2,119.725 IC601.10@134.2,120.15 ; v1(138,118.2) 138.029,118.171 138.129,118.171 138.163,118.138 139.051,118.138 139.7,117.489 139.7,116 141.325,114.375 149.225,114.375 152.925,110.675 156.425,110.675 158.325,108.775 162.914,108.775 165.013,106.676 165.013,105.612 165.375,105.25 CO101.A48@165.375,103.45
USB2_RX_P: CO101.A47 IC601.11 | length 41.8
  Top Layer w0.15: v1(133.8,119) 133.829,118.971 133.829,118.871 133.862,118.837 133.862,118.349 134.349,117.863 137.837,117.863 137.871,117.829 137.971,117.829 v1(138,117.8)
  Bottom Layer w0.15: v1(133.8,119) 133.829,119.029 133.829,119.129 133.862,119.163 133.862,119.662 133.8,119.725 IC601.11@133.8,120.15 ; v1(138,117.8) 138.029,117.829 138.129,117.829 138.163,117.863 138.938,117.863 139.425,117.375 139.425,115.886 141.211,114.1 149.111,114.1 152.811,110.4 156.311,110.4 158.211,108.5 162.8,108.5 164.738,106.563 164.738,105.613 164.375,105.25 CO101.A47@164.375,103.45
USB2_TX_N: CO101.A42 IC601.7 | length 34.8
  Bottom Layer w0.15: IC601.7@135.4,120.15 135.4,119.725 135.338,119.662 135.338,117.576 140.214,112.7 148.289,112.7 150.575,110.414 150.575,109.325 150.9,109 155.6,109 157.425,107.175 158.514,107.175 159.013,106.676 159.013,105.612 159.375,105.25 CO101.A42@159.375,103.45
USB2_TX_P: CO101.A41 IC601.8 | length 34.8
  Bottom Layer w0.15: IC601.8@135,120.15 135,119.725 135.063,119.662 135.063,117.463 140.1,112.425 148.175,112.425 150.3,110.3 150.3,109.211 150.786,108.725 155.486,108.725 157.311,106.9 158.4,106.9 158.738,106.563 158.738,105.613 158.375,105.25 CO101.A41@158.375,103.45
USB3_N: CO101.B25 IC701.15 | length 30.3
  Top Layer w0.15: CO101.B25@142.375,103.45 142.375,105.25 142.012,105.612 142.012,107.313 144.6,109.9 153.389,109.9 155.289,111.8 157.589,111.8 158.738,112.949 158.738,119.662 158.8,119.725 IC701.15@158.8,120.15
USB3_P: CO101.B24 IC701.14 | length 30.3
  Top Layer w0.15: CO101.B24@141.375,103.45 141.375,105.25 141.737,105.613 141.737,107.426 144.486,110.175 153.275,110.175 155.175,112.075 157.475,112.075 158.463,113.063 158.463,119.662 158.4,119.725 IC701.14@158.4,120.15
USB3_RX_N: CO101.B22 IC701.20 | length 33.9
  Top Layer w0.15: CO101.B22@139.375,103.45 139.375,105.25 139.013,105.612 139.013,106.113 143.6,110.7 152.789,110.7 155.151,113.063 156.837,113.063 156.871,113.029 156.971,113.029 v1(157,113) ; v1(160.8,119) 160.771,119.029 160.771,119.129 160.738,119.163 160.738,119.662 160.8,119.725 IC701.20@160.8,120.15
  Bottom Layer w0.15: v1(157,113) 157.029,113.029 157.129,113.029 157.163,113.063 159.551,113.063 160.738,114.249 160.738,118.837 160.771,118.871 160.771,118.971 v1(160.8,119)
USB3_RX_P: CO101.B21 IC701.19 | length 33.9
  Top Layer w0.15: CO101.B21@138.375,103.45 138.375,105.25 138.738,105.613 138.738,106.226 143.486,110.975 152.675,110.975 155.038,113.338 156.837,113.338 156.871,113.371 156.971,113.371 v1(157,113.4) ; v1(160.4,119) 160.429,119.029 160.429,119.129 160.463,119.163 160.463,119.662 160.4,119.725 IC701.19@160.4,120.15
  Bottom Layer w0.15: v1(157,113.4) 157.029,113.371 157.129,113.371 157.163,113.338 159.438,113.338 160.463,114.363 160.463,118.837 160.429,118.871 160.429,118.971 v1(160.4,119)
USB3_TX_N: CO101.B28 IC701.17 | length 28.6
  Top Layer w0.15: CO101.B28@145.375,103.45 145.375,105.25 145.013,105.612 145.013,107.113 146.9,109 153.889,109 155.789,110.9 158.589,110.9 159.538,111.849 159.538,119.662 159.6,119.725 IC701.17@159.6,120.15
USB3_TX_P: CO101.B27 IC701.16 | length 28.6
  Top Layer w0.15: CO101.B27@144.375,103.45 144.375,105.25 144.738,105.613 144.738,107.226 146.786,109.275 153.775,109.275 155.675,111.175 158.475,111.175 159.263,111.962 159.263,119.662 159.2,119.725 IC701.16@159.2,120.15
USB4_N: CO101.B36 IC701.28 | length 29.4
  Top Layer w0.15: CO101.B36@153.375,103.45 153.375,105.25 153.013,105.612 153.013,106.712 153.525,107.225 153.7,107.225 154.179,107.225 cw(c154.179,107.023) 154.381,107.023 154.381,106.964 ccw(c154.583,106.964) 154.583,106.762 ccw(c154.583,106.964) 154.785,106.964 ; 154.785,106.964 cw(c154.987,106.964) 154.844,107.107 155.5,107.763 156.862,109.125 161.314,109.125 165.675,113.486 165.675,121.314 165.051,121.938 164.338,121.938 164.275,122 IC701.28@163.85,122
USB4_P: CO101.B35 IC701.27 | length 29.4
  Top Layer w0.15: CO101.B35@152.375,103.45 152.375,105.25 152.737,105.613 152.737,106.826 153.411,107.5 154.849,107.5 156.749,109.4 161.2,109.4 161.35,109.55 161.403,109.603 ccw(c161.26,109.746) 161.403,109.889 161.209,110.082 cw(c161.352,110.225) 161.209,110.368 cw(c161.352,110.225) 161.495,110.368 161.689,110.174 ccw(c161.832,110.317) 161.974,110.174 162.25,110.45 165.4,113.6 165.4,121.2 164.938,121.662 164.338,121.662 164.275,121.6 IC701.27@163.85,121.6
USB4_RX_N: CO101.B31 IC701.33 | length 37.4
  Top Layer w0.15: CO101.B31@148.375,103.45 148.375,105.25 148.013,105.612 148.013,106.712 148.05,106.75 148.389,107.089 cw(c148.532,106.946) 148.674,107.089 ccw(c148.817,107.232) 148.96,107.089 ccw(c148.817,107.232) 148.96,107.374 cw(c149.103,107.517) 148.96,107.66 149.25,107.95 149.3,108 154.289,108 156.189,109.9 159.3,109.9 162.6,113.2 164.089,113.2 164.638,113.749 164.638,119.837 164.671,119.871 164.671,119.971 v1(164.7,120) ; IC701.33@163.85,124 164.275,124 164.338,123.938 164.837,123.938 164.871,123.971 164.971,123.971 v1(165,124)
  Bottom Layer w0.15: v1(164.7,120) 164.671,120.029 164.671,120.129 164.638,120.163 164.638,120.338 164.8,120.5 166,120.5 166.375,120.875 166.375,123.514 165.951,123.938 165.163,123.938 165.129,123.971 165.029,123.971 v1(165,124)
USB4_RX_P: CO101.B30 IC701.32 | length 37.4
  Top Layer w0.15: CO101.B30@147.375,103.45 147.375,105.25 147.737,105.613 147.737,106.826 147.806,106.894 147.859,106.947 ccw(c147.716,107.09) 147.859,107.233 147.697,107.394 cw(c147.84,107.537) 147.697,107.68 cw(c147.84,107.537) 147.983,107.68 148.144,107.519 ccw(c148.287,107.662) 148.43,107.519 148.956,108.044 149.186,108.275 154.175,108.275 156.075,110.175 159.186,110.175 162.486,113.475 163.975,113.475 164.363,113.863 164.363,119.837 164.329,119.871 164.329,119.971 v1(164.3,120) ; IC701.32@163.85,123.6 164.275,123.6 164.338,123.663 164.837,123.663 164.871,123.629 164.971,123.629 v1(165,123.6)
  Bottom Layer w0.15: v1(164.3,120) 164.329,120.029 164.329,120.129 164.363,120.163 164.363,120.451 164.686,120.775 165.886,120.775 166.1,120.989 166.1,123.4 165.838,123.663 165.163,123.663 165.129,123.629 165.029,123.629 v1(165,123.6)
USB4_TX_N: CO101.B39 IC701.30 | length 29.3
  Top Layer w0.15: CO101.B39@156.375,103.45 156.375,105.25 156.012,105.612 156.012,107.013 156.1,107.1 156.439,107.439 cw(c156.582,107.296) 156.724,107.439 ccw(c156.867,107.582) 157.01,107.439 ccw(c156.867,107.582) 157.01,107.724 cw(c157.153,107.867) 157.01,108.01 157.3,108.3 157.7,108.3 161.689,108.3 166.575,113.186 166.575,122.314 166.151,122.738 164.338,122.738 164.275,122.8 IC701.30@163.85,122.8
USB4_TX_P: CO101.B38 IC701.29 | length 29.3
  Top Layer w0.15: CO101.B38@155.375,103.45 155.375,105.25 155.737,105.613 155.737,105.69 155.737,105.765 ccw(c155.536,105.765) 155.536,105.967 155.308,105.967 cw(c155.308,106.169) 155.106,106.169 cw(c155.308,106.169) 155.308,106.371 155.536,106.371 ccw(c155.536,106.573) 155.737,106.573 155.737,106.917 155.737,107.126 157.186,108.575 161.575,108.575 166.3,113.3 166.3,122.2 166.038,122.463 164.338,122.463 164.275,122.4 IC701.29@163.85,122.4
USB5_N: CO101.A35 IC601.15 | length 32.9
  Bottom Layer w0.15: IC601.15@132.2,120.15 132.2,119.725 132.262,119.662 132.262,115.949 133.211,115 135.011,115 139.211,110.8 147.225,110.8 148.625,109.4 148.625,107.886 149.386,107.125 152.375,107.125 152.737,106.763 152.737,105.612 152.375,105.25 CO101.A35@152.375,103.45
USB5_P: CO101.A36 IC601.14 | length 32.9
  Bottom Layer w0.15: IC601.14@132.6,120.15 132.6,119.725 132.537,119.662 132.537,116.063 133.325,115.275 135.125,115.275 139.325,111.075 147.339,111.075 148.9,109.514 148.9,108 149.5,107.4 152.489,107.4 153.012,106.876 153.012,105.613 153.375,105.25 CO101.A36@153.375,103.45
USB5_RX_N: CO101.A38 IC601.20 | length 37.7
  Top Layer w0.15: v1(130.2,119) 130.229,118.971 130.229,118.871 130.262,118.837 130.262,116.649 130.749,116.163 133.837,116.163 133.871,116.129 133.971,116.129 v1(134,116.1)
  Bottom Layer w0.15: v1(130.2,119) 130.229,119.029 130.229,119.129 130.262,119.163 130.262,119.662 130.2,119.725 IC601.20@130.2,120.15 ; v1(134,116.1) 134.029,116.129 134.129,116.129 134.163,116.163 135.149,116.163 139.711,111.6 147.8,111.6 149.425,109.975 149.425,108.586 150.086,107.925 154.975,107.925 155.737,107.163 155.737,105.612 155.375,105.25 CO101.A38@155.375,103.45
USB5_RX_P: CO101.A39 IC601.19 | length 37.7
  Top Layer w0.15: v1(130.6,119) 130.571,118.971 130.571,118.871 130.537,118.837 130.537,116.763 130.863,116.438 133.837,116.438 133.871,116.471 133.971,116.471 v1(134,116.5)
  Bottom Layer w0.15: v1(130.6,119) 130.571,119.029 130.571,119.129 130.537,119.163 130.537,119.662 130.6,119.725 IC601.19@130.6,120.15 ; v1(134,116.5) 134.029,116.471 134.129,116.471 134.163,116.438 135.263,116.438 139.825,111.875 147.914,111.875 149.7,110.089 149.7,108.7 150.2,108.2 155.089,108.2 156.012,107.276 156.012,105.613 156.375,105.25 CO101.A39@156.375,103.45
USB5_TX_N: CO101.A30 IC601.17 | length 29.6
  Bottom Layer w0.15: IC601.17@131.4,120.15 131.4,119.725 131.463,119.662 131.463,115.149 132.586,114.025 134.675,114.025 138.875,109.825 146.975,109.825 147.737,109.063 147.737,105.612 147.375,105.25 CO101.A30@147.375,103.45
USB5_TX_P: CO101.A31 IC601.16 | length 29.6
  Bottom Layer w0.15: IC601.16@131.8,120.15 131.8,119.725 131.738,119.662 131.738,115.263 132.7,114.3 134.789,114.3 138.989,110.1 147.089,110.1 148.012,109.176 148.012,105.613 148.375,105.25 CO101.A31@148.375,103.45
USB6_N: CO101.B14 IC701.6 | length 35.9
  Top Layer w0.15: CO101.B14@131.375,103.45 131.375,105.25 131.012,105.612 131.012,107.113 132.25,108.35 138.339,108.35 142.389,112.4 151.689,112.4 155.138,115.849 155.138,119.662 155.2,119.725 IC701.6@155.2,120.15
USB6_P: CO101.B13 IC701.5 | length 35.9
  Top Layer w0.15: CO101.B13@130.375,103.45 130.375,105.25 130.737,105.613 130.737,107.226 132.136,108.625 138.225,108.625 142.275,112.675 151.575,112.675 154.863,115.963 154.863,119.662 154.8,119.725 IC701.5@154.8,120.15
USB6_RX_N: CO101.B10 IC701.11 | length 44.9
  Top Layer w0.15: CO101.B10@125.275,103.45 125.275,105.25 124.913,105.612 124.913,108.912 125.5,109.5 137.889,109.5 141.689,113.3 150.089,113.3 152.251,115.463 152.837,115.463 152.871,115.429 152.971,115.429 v1(153,115.4) ; v1(157.2,119) 157.171,119.029 157.171,119.129 157.138,119.163 157.138,119.662 157.2,119.725 IC701.11@157.2,120.15
  Bottom Layer w0.15: v1(153,115.4) 153.029,115.429 153.129,115.429 153.163,115.463 156.351,115.463 157.138,116.249 157.138,118.837 157.171,118.871 157.171,118.971 v1(157.2,119)
USB6_RX_P: CO101.B9 IC701.10 | length 44.9
  Top Layer w0.15: CO101.B9@124.275,103.45 124.275,105.25 124.638,105.613 124.638,109.026 125.386,109.775 137.775,109.775 141.575,113.575 149.975,113.575 152.138,115.738 152.837,115.738 152.871,115.771 152.971,115.771 v1(153,115.8) ; v1(156.8,119) 156.829,119.029 156.829,119.129 156.863,119.163 156.863,119.662 156.8,119.725 IC701.10@156.8,120.15
  Bottom Layer w0.15: v1(153,115.8) 153.029,115.771 153.129,115.771 153.163,115.738 156.238,115.738 156.863,116.363 156.863,118.837 156.829,118.871 156.829,118.971 v1(156.8,119)
USB6_TX_N: CO101.B17 IC701.8 | length 33.8
  Top Layer w0.15: CO101.B17@134.375,103.45 134.375,105.25 134.013,105.612 134.013,106.712 134.7,107.4 138.889,107.4 143.089,111.6 152.289,111.6 155.938,115.249 155.938,119.662 156,119.725 IC701.8@156,120.15
USB6_TX_P: CO101.B16 IC701.7 | length 33.8
  Top Layer w0.15: CO101.B16@133.375,103.45 133.375,105.25 133.737,105.613 133.737,106.826 134.586,107.675 138.775,107.675 142.975,111.875 152.175,111.875 155.663,115.363 155.663,119.662 155.6,119.725 IC701.7@155.6,120.15
USB7_N: CO101.B45 IC701.35 | length 29.6
  Top Layer w0.15: CO101.B45@162.375,103.45 162.375,105.25 162.013,105.612 162.013,105.987 162.013,106.3 162.124,106.411 cw(c162.266,106.268) 162.409,106.411 162.651,106.169 ccw(c162.794,106.312) 162.936,106.169 ccw(c162.794,106.312) 162.936,106.455 cw(c163.079,106.598) 163.079,106.8 163.426,106.8 163.863,107.237 164.044,107.417 164.044,108.055 168.375,112.386 168.375,124.314 167.951,124.738 164.338,124.738 164.275,124.8 IC701.35@163.85,124.8
USB7_P: CO101.B44 IC701.34 | length 29.6
  Top Layer w0.15: CO101.B44@161.375,103.45 161.375,105.25 161.737,105.613 161.737,105.8 161.737,105.875 ccw(c161.536,105.875) 161.536,106.077 161.271,106.077 cw(c161.271,106.279) 161.069,106.279 cw(c161.271,106.279) 161.271,106.481 161.721,106.481 ccw(c161.721,106.683) 161.864,106.54 162.324,107 162.399,107.075 163.313,107.075 163.769,107.531 163.769,108.169 168.1,112.5 168.1,124.2 167.838,124.462 164.338,124.462 164.275,124.4 IC701.34@163.85,124.4
USB7_RX_N: CO101.B42 IC701.40 | length 32.5
  Top Layer w0.15: CO101.B42@159.375,103.45 159.375,105.25 159.013,105.612 159.013,107.013 159.396,107.396 159.538,107.538 159.774,107.538 cw(c159.774,107.336) 159.976,107.336 ccw(c160.178,107.336) 160.178,107.134 ccw(c160.178,107.336) 160.38,107.336 cw(c160.582,107.336) 160.582,107.538 160.901,107.538 162.227,107.538 167.475,112.786 167.475,122.837 167.509,122.871 167.509,122.971 v1(167.538,123) ; IC701.40@163.85,126.8 164.275,126.8 164.338,126.738 164.837,126.738 164.871,126.771 164.971,126.771 v1(165,126.8)
  Bottom Layer w0.15: v1(165,126.8) 165.029,126.771 165.129,126.771 165.163,126.738 167.051,126.738 167.475,126.314 167.475,123.163 167.509,123.129 167.509,123.029 v1(167.538,123)
USB7_RX_P: CO101.B41 IC701.39 | length 32.5
  Top Layer w0.15: CO101.B41@158.375,103.45 158.375,105.25 158.738,105.613 158.738,105.8 158.738,105.875 ccw(c158.536,105.875) 158.536,106.077 158.308,106.077 cw(c158.308,106.279) 158.106,106.279 cw(c158.308,106.279) 158.308,106.481 158.536,106.481 ccw(c158.536,106.683) 158.738,106.683 158.738,107 158.738,107.126 159.424,107.813 162.113,107.813 167.2,112.9 167.2,122.837 167.166,122.871 167.166,122.971 v1(167.138,123) ; IC701.39@163.85,126.4 164.275,126.4 164.338,126.463 164.837,126.463 164.871,126.429 164.971,126.429 v1(165,126.4)
  Bottom Layer w0.15: v1(165,126.4) 165.029,126.429 165.129,126.429 165.163,126.463 166.938,126.463 167.2,126.2 167.2,123.163 167.166,123.129 167.166,123.029 v1(167.138,123)
USB7_TX_N: CO101.B48 IC701.37 | length 29
  Top Layer w0.15: IC701.37@163.85,125.6 164.275,125.6 164.338,125.538 168.551,125.538 169.175,124.914 169.175,111.775 164.9,107.5 164.9,107 164.9,106.925 ccw(c165.102,106.925) 165.102,106.723 cw(c165.102,106.521) 165.304,106.521 cw(c165.102,106.521) 165.102,106.319 ccw(c165.102,106.117) 164.9,106.117 164.9,105.7 164.9,105.613 164.988,105.525 165.1,105.525 165.375,105.25 CO101.B48@165.375,104
USB7_TX_P: CO101.B47 IC701.36 | length 29
  Top Layer w0.15: IC701.36@163.85,125.2 164.275,125.2 164.338,125.263 168.438,125.263 168.9,124.8 168.9,111.889 164.625,107.614 164.625,107.4 164.625,106.921 cw(c164.423,106.921) 164.423,106.719 164.421,106.719 ccw(c164.421,106.517) 164.219,106.517 ccw(c164.421,106.517) 164.421,106.315 164.423,106.315 cw(c164.423,106.113) 164.625,106.113 164.625,105.7 164.625,103.7 CO101.B47@164.375,103.45